# KiCad board UsbSourceMeasure.kicad_pcb
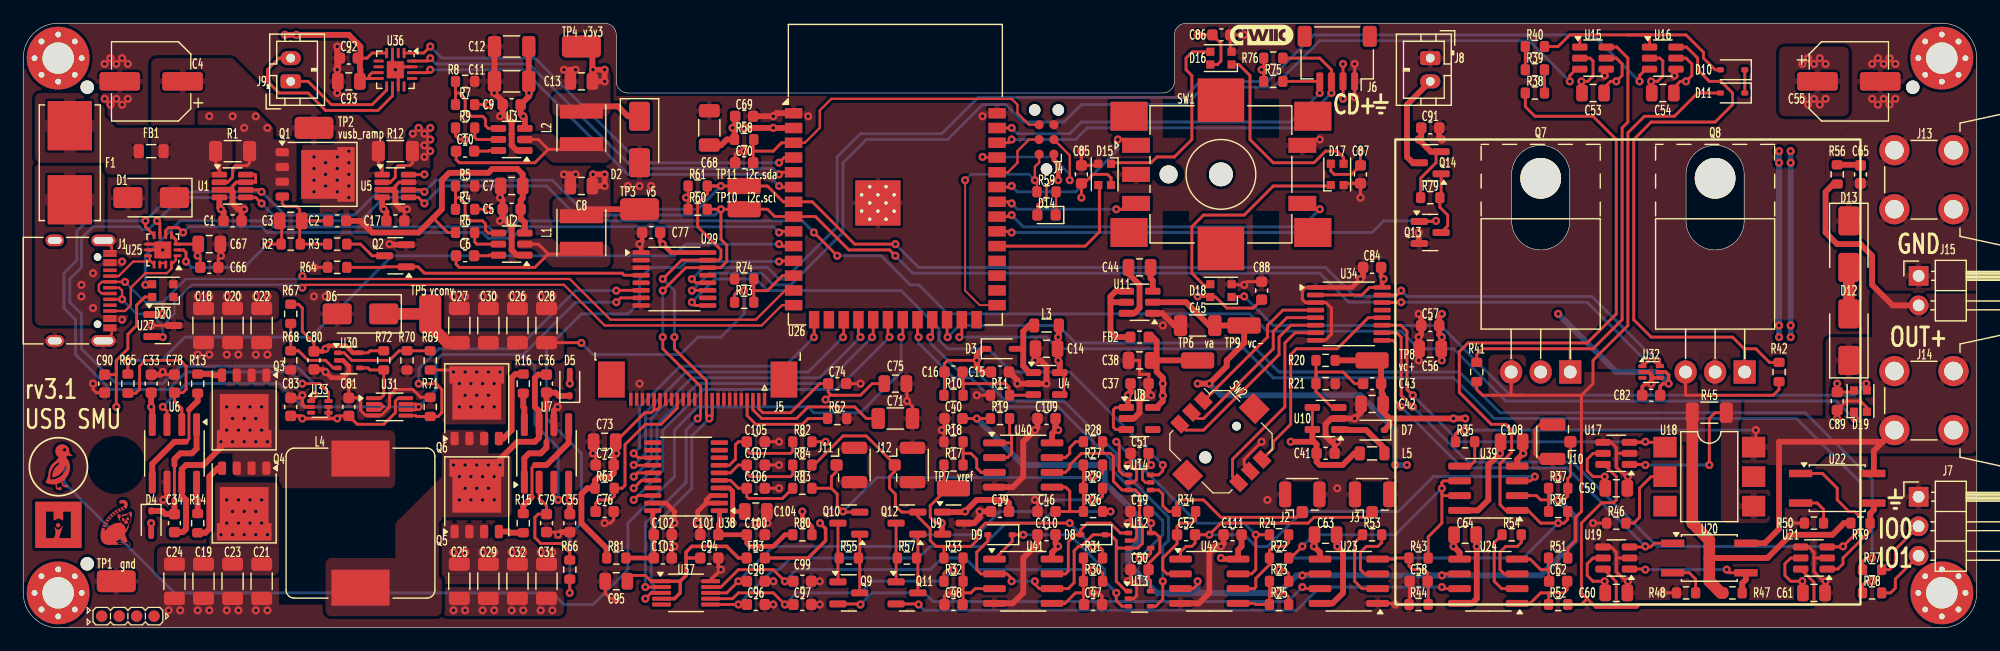
[diagram p0: board, top side]
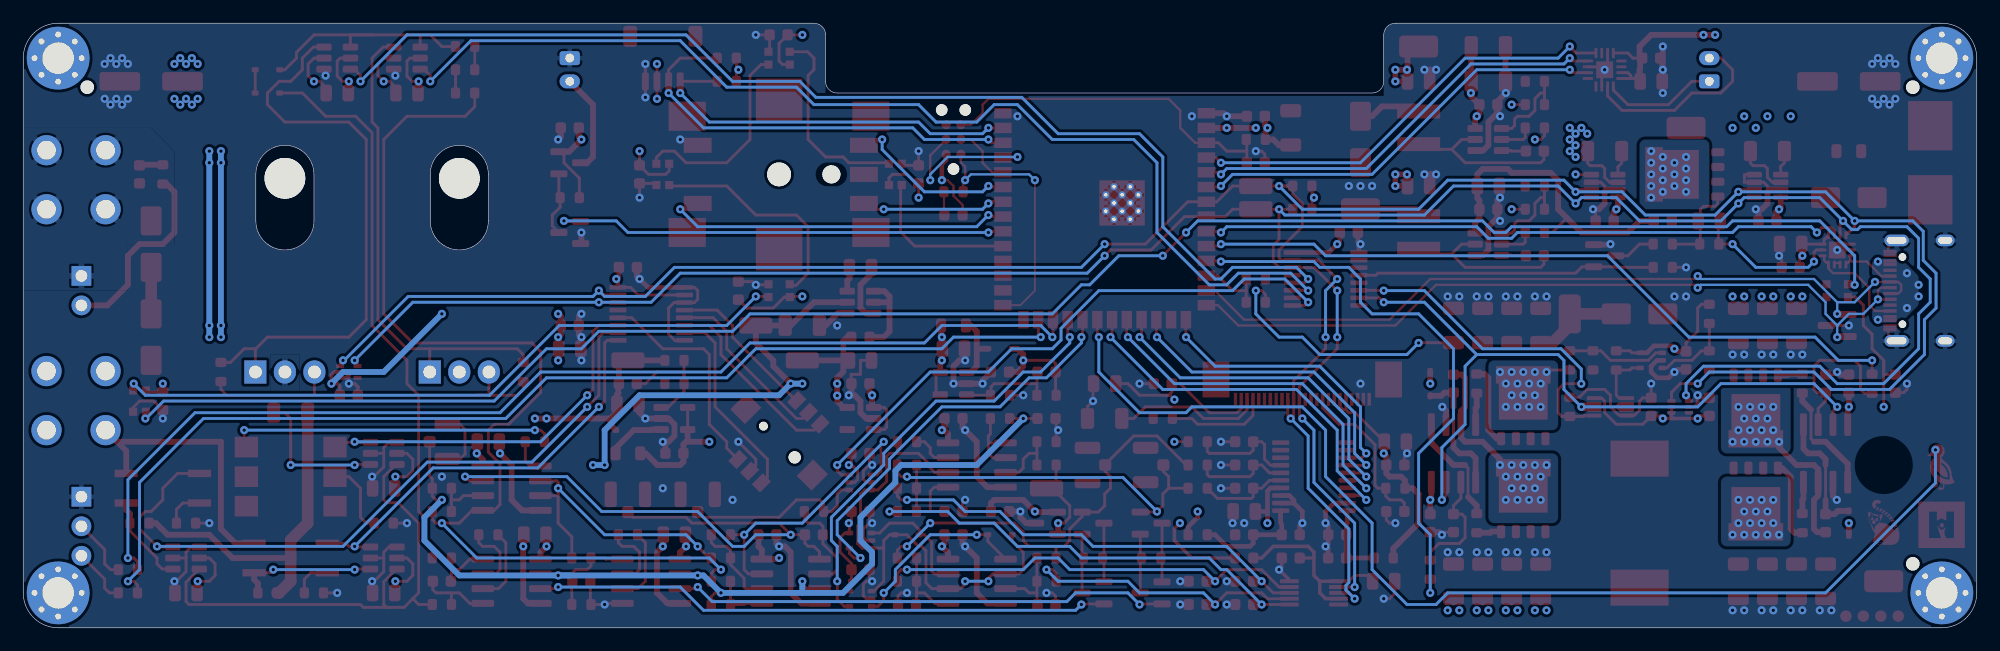
[diagram p1: board, bottom side, seen from below]

Outline 168 x 52 mm; copper layers: Front, In1.Cu, In2.Cu, Bottom. Coordinates in mm from the lower left corner of the outline.
Outline path: 0,49 arc(0.88,51.12) 3,52 50,52 arc(50.71,51.71) 51,51 51,47 arc(51.29,46.29) 52,46 98,46 arc(98.71,46.29) 99,47 99,51 arc(99.29,51.71) 100,52 165,52 arc(167.12,51.12) 168,49 168,3 arc(167.12,0.88) 165,0 3,0 arc(0.88,0.88) 0,3 0,49 ; 128,39 128,35 arc(130.5,32.5) 133,35 133,39 arc(130.5,41.5) 128,39 ; 143,39 143,35 arc(145.5,32.5) 148,35 148,39 arc(145.5,41.5) 143,39
Stack: Front 0.035mm / dielectric 1.51mm FR4 er 4.5 / In1.Cu 0.035mm / dielectric 0.48mm FR4 er 4.5 / In2.Cu 0.035mm / dielectric 0.48mm FR4 er 4.5 / Bottom 0.035mm

## Placement (name value [footprint] x y rotation side)
C1  vusb_sense.vs_cap  [C_0603_1608Metric]  18 35 0 top
C2  ramp.cap_gd  [C_0603_1608Metric]  27 35 180 top
C3  ramp.cap_gs  [C_0805_2012Metric]  23 35 0 top
C4  cap_conv  [CP_Elec_6.3x7.7]  11 47 180 top
C5  reg_v5.hf_in_cap  [C_0603_1608Metric]  42 36 180 top
C6  reg_v5.boot_cap  [C_0603_1608Metric]  38 32 180 top
C7  reg_v5.power_path.in_cap  [C_0805_2012Metric]  42 38 180 top
C8  reg_v5.power_path.out_cap  [C_0805_2012Metric]  48 38 180 top
C9  reg_3v3.hf_in_cap  [C_0603_1608Metric]  42 45 180 top
C10  reg_3v3.boot_cap  [C_0603_1608Metric]  38 41 180 top
C11  reg_3v3.power_path.in_cap.c[0]  [C_1206_3216Metric]  42 47 180 top
C12  reg_3v3.power_path.in_cap.c[1]  [C_1206_3216Metric]  42 50 180 top
C13  reg_3v3.power_path.out_cap  [C_0805_2012Metric]  48 47 180 top
C14  reg_v12.power_path.in_cap  [C_0805_2012Metric]  88 24 180 top
C15  reg_v12.power_path.out_cap  [C_0603_1608Metric]  84 22 0 top
C16  reg_v12.cf  [C_0603_1608Metric]  80 22 0 top
C17  convin_sense.vs_cap  [C_0603_1608Metric]  32 35 0 top
C18  conv.power_path.in_cap.c[0]  [C_1206_3216Metric]  15.5 26 270 top
C19  conv.power_path.in_cap.c[1]  [C_1206_3216Metric]  15.5 4 270 top
C20  conv.power_path.in_cap.c[2]  [C_1206_3216Metric]  18 26 270 top
C21  conv.power_path.in_cap.c[3]  [C_1206_3216Metric]  20.5 4 270 top
C22  conv.power_path.in_cap.c[4]  [C_1206_3216Metric]  20.5 26 270 top
C23  conv.power_path.in_cap.c[5]  [C_1206_3216Metric]  18 4 270 top
C24  conv.power_path.in_cap.c[6]  [C_1206_3216Metric]  13 4 270 top
C25  conv.power_path.out_cap.c[0]  [C_1206_3216Metric]  37.5 4 90 top
C26  conv.power_path.out_cap.c[1]  [C_1206_3216Metric]  42.5 26 90 top
C27  conv.power_path.out_cap.c[2]  [C_1206_3216Metric]  37.5 26 90 top
C28  conv.power_path.out_cap.c[3]  [C_1206_3216Metric]  45 26 90 top
C29  conv.power_path.out_cap.c[4]  [C_1206_3216Metric]  40 4 90 top
C30  conv.power_path.out_cap.c[5]  [C_1206_3216Metric]  40 26 90 top
C31  conv.power_path.out_cap.c[6]  [C_1206_3216Metric]  45 4 90 top
C32  conv.power_path.out_cap.c[7]  [C_1206_3216Metric]  42.5 4 90 top
C33  conv.buck_sw.driver.cap  [C_0603_1608Metric]  11 21 90 top
C34  conv.buck_sw.driver.high_cap  [C_0603_1608Metric]  13 9 270 top
C35  conv.boost_sw.driver.cap  [C_0603_1608Metric]  47 9 270 top
C36  conv.boost_sw.driver.high_cap  [C_0603_1608Metric]  45 21 90 top
C37  reg_analog.in_cap  [C_0603_1608Metric]  96 21 0 top
C38  reg_analog.out_cap  [C_0805_2012Metric]  96 23 180 top
C39  reg_vref.in_cap  [C_0603_1608Metric]  84 10 180 top
C40  ref_rc.c  [C_0603_1608Metric]  80 18 180 top
C41  reg_vcontrol.power_path.in_cap  [C_0603_1608Metric]  112 15 0 top
C42  reg_vcontrol.power_path.out_cap  [C_0805_2012Metric]  116 19.25 180 top
C43  reg_vcontrol.cf  [C_0603_1608Metric]  116 21 180 top
C44  reg_vcontroln.cf  [C_0805_2012Metric]  96 31 0 top
C45  reg_vcontroln.cout  [C_1206_3216Metric]  101 26 180 top
C46  control.err_volt.cin  [C_0603_1608Metric]  88 10 180 top
C47  control.err_source.cin  [C_0603_1608Metric]  92 2 0 top
C48  control.err_sink.cin  [C_0603_1608Metric]  80 2 180 top
C49  control.comp_source.vdd_cap  [C_0603_1608Metric]  96 10 180 top
C50  control.comp_sink.vdd_cap  [C_0603_1608Metric]  96 5 180 top
C51  control.off_sw.vdd_cap  [C_0603_1608Metric]  96 15 180 top
C52  control.int.c  [C_0603_1608Metric]  100 8 180 top
C53  control.driver.high_gate.vdd_cap  [C_0805_2012Metric]  135 46 180 top
C54  control.driver.low_gate.vdd_cap  [C_0805_2012Metric]  141 46 180 top
C55  control.driver.cap_in1  [CP_Elec_6.3x7.7]  157 47 0 top
C56  control.driver.cap_in2  [C_0805_2012Metric]  121 24 180 top
C57  control.driver.cap_in3  [C_0603_1608Metric]  121 26 180 top
C58  control.cdiv  [C_0603_1608Metric]  120 4 180 top
C59  control.isense.ranges[0].sense_sw.vdd_cap  [C_0805_2012Metric]  137 12 0 top
C60  control.isense.ranges[1].sense_sw.vdd_cap  [C_0805_2012Metric]  137 3 0 top
C61  control.isense.ranges[2].sense_sw.vdd_cap  [C_0805_2012Metric]  154 3 0 top
C62  control.ifilt.c  [C_0603_1608Metric]  132 4 0 top
C63  control.vmeas.vdd_cap  [C_0805_2012Metric]  112 8 180 top
C64  control.imeas.vdd_cap  [C_0805_2012Metric]  124 8 180 top
C65  control.snub_c  [C_0603_1608Metric]  158 39 270 top
C66  pd.vdd_cap[0]  [C_0603_1608Metric]  16 31 0 top
C67  pd.vdd_cap[1]  [C_0805_2012Metric]  16 33 0 top
C68  mcu.vcc_cap0  [C_1206_3216Metric]  59 43 90 top
C69  mcu.vcc_cap1  [C_0603_1608Metric]  62 44 0 top
C70  mcu.en_pull.c  [C_0603_1608Metric]  62 40 180 top
C71  oled.vcomh_cap  [C_1206_3216Metric]  75 18 0 top
C72  oled.vdd_cap1  [C_0603_1608Metric]  50 14 180 top
C73  oled.vdd_cap2  [C_0805_2012Metric]  50 16 180 top
C74  oled.vcc_cap1  [C_0603_1608Metric]  70 21 0 top
C75  oled.vcc_cap2  [C_0805_2012Metric]  75 21 0 top
C76  oled_rc.c  [C_0603_1608Metric]  50 10 0 top
C77  ioe_ctl.vdd_cap  [C_0603_1608Metric]  54 34 180 top
C78  buck_rc.c  [C_0603_1608Metric]  13 21 90 top
C79  boost_rc.c  [C_0603_1608Metric]  45 9 270 top
C80  conv_ovp.comp.vdd_cap  [C_0603_1608Metric]  25 23 270 top
C81  conv_latch.vdd_cap  [C_0603_1608Metric]  28 19 90 top
C82  pass_temp.vdd_cap  [C_0603_1608Metric]  140 20 180 top
C83  conv_temp.vdd_cap  [C_0603_1608Metric]  23 19 90 top
C84  ioe_ui.vdd_cap  [C_0603_1608Metric]  116 31 180 top
C85  rgbs.led[0].cap  [C_0603_1608Metric]  91 39 90 top
C86  rgbs.led[1].cap  [C_0603_1608Metric]  103.04 51 0 top
C87  rgbs.led[2].cap  [C_0603_1608Metric]  115 39 270 top
C88  rgbs.led[3].cap  [C_0603_1608Metric]  106.5 29 90 top
C89  rgbs.led[4].cap  [C_0603_1608Metric]  156 19.5 270 top
C90  rgbs.led[5].cap  [C_0603_1608Metric]  7 21 270 top
C91  fan_cap  [C_0603_1608Metric]  121 43 0 top
C92  spk_drv.pwr_cap0  [C_0603_1608Metric]  28 49 180 top
C93  spk_drv.pwr_cap1  [C_0805_2012Metric]  28 47 180 top
C94  dac.vdd_cap[0]  [C_0603_1608Metric]  59 6 0 top
C95  dac.vdd_cap[1]  [C_0805_2012Metric]  51 4 180 top
C96  dac.out_cap[0]  [C_0603_1608Metric]  63 2 0 top
C97  dac.out_cap[1]  [C_0603_1608Metric]  67 2 0 top
C98  dac.out_cap[2]  [C_0603_1608Metric]  63 4 0 top
C99  dac.out_cap[3]  [C_0603_1608Metric]  67 4 0 top
C100  adc.avdd_cap_0  [C_0603_1608Metric]  63 8 0 top
C101  adc.avdd_cap_1  [C_0603_1608Metric]  59 8 180 top
C102  adc.dvdd_cap_0  [C_0603_1608Metric]  55 8 0 top
C103  adc.dvdd_cap_1  [C_0603_1608Metric]  55 6 0 top
C104  adc.vref_cap  [C_0805_2012Metric]  63 10 0 top
C105  vcen_rc.c  [C_0603_1608Metric]  63 16 0 top
C106  mv_rc.c  [C_0603_1608Metric]  63 12 0 top
C107  mi_rc.c  [C_0603_1608Metric]  63 14 0 top
C108  vimeas_amps.vdd_cap  [C_0805_2012Metric]  128 16 0 top
C109  cv_amps.vdd_cap  [C_0603_1608Metric]  88 18 180 top
C110  ci_amps.vdd_cap  [C_0603_1608Metric]  88 8 180 top
C111  cintref_amps.vdd_cap  [C_0603_1608Metric]  104 8 180 top
D1  prot_vusb  [D_SMA]  11 37 180 top
D2  prot_3v3  [D_SMA]  53 42 270 top
D3  reg_v12.rect  [D_SOD-323]  84 24 0 top
D4  conv.buck_sw.driver.boot  [D_SOD-323]  11 9 270 top
D5  conv.boost_sw.driver.boot  [D_SOD-323]  47 21 90 top
D6  prot_conv  [D_SMA]  29 27 180 top
D7  reg_vcontrol.rect  [D_SOD-323]  116 17 180 top
D8  control.err_source.diode  [D_SOD-323]  92 8 180 top
D9  control.err_sink.diode  [D_SOD-323]  84 8 180 top
D10  control.driver.clamp1  [D_SOD-323]  147 48 180 top
D11  control.driver.clamp2  [D_SOD-323]  147 46 180 top
D12  control.tvs_p  [D_SMA]  157 25 90 top
D13  control.tvs_n  [D_SMA]  157 33 270 top
D14  led.package  [LED_0603_1608Metric]  88 35.5 180 top
D15  rgbs.led[0].device  [LED_WS2812B-2020_PLCC4_2.0x2.0mm]  93 39 270 top
D16  rgbs.led[1].device  [LED_WS2812B-2020_PLCC4_2.0x2.0mm]  103 49 180 top
D17  rgbs.led[2].device  [LED_WS2812B-2020_PLCC4_2.0x2.0mm]  113 39 90 top
D18  rgbs.led[3].device  [LED_WS2812B-2020_PLCC4_2.0x2.0mm]  103 29 180 top
D19  rgbs.led[4].device  [LED_WS2812B-2020_PLCC4_2.0x2.0mm]  158 19.5 90 top
D20  rgbs.led[5].device  [LED_WS2812B-2020_PLCC4_2.0x2.0mm]  12 29 180 top
F1  fuse_vusb  [Fuseholder_Littelfuse_Nano2_154x]  4 40 90 top
FB1  filt_vusb  [L_0805_2012Metric]  11 41 0 top
FB2  filt_vcontroln  [L_0603_1608Metric]  96 25 180 top
FB3  dac_ferrite  [L_0603_1608Metric]  63 6 180 top
G***  LOGO  [qwiic_5.5mm]  106.5 51 0 top
H1  jlc_th.th1  [JlcToolingHole_1.152mm]  5.5 46.5 0 top
H2  jlc_th.th2  [JlcToolingHole_1.152mm]  5.5 5.5 0 top
H3  jlc_th.th3  [JlcToolingHole_1.152mm]  162.5 46.5 0 top
J1  usb  [USB_C_Receptacle_XKB_U262-16XN-4BVC11]  3.78 29 270 top
J2  tp_err  [U.FL_Hirose_U.FL-R-SMT-1_Vertical]  110 11 90 top
J3  tp_int  [U.FL_Hirose_U.FL-R-SMT-1_Vertical]  116 11 90 top
J4  mcu.prog  [Tag-Connect_TC2030-IDC-NL_2x03_P1.27mm_Vertical]  88 42 90 top
J5  oled.device  [TE_2-1734839-4_1x24-1MP_P0.5mm_Horizontal]  58 21 180 top
J6  qwiic  [JST_SH_SM04B-SRSS-TB_1x04-1MP_P1.00mm_Horizontal]  113 49 180 top
J7  dutio  [PinHeader_1x03_P2.54mm_Horizontal]  163 11.27 0 top
J8  fan  [JST_PH_B2B-PH-K_1x02_P2.00mm_Vertical]  121 49 270 top
J9  spk  [JST_PH_B2B-PH-K_1x02_P2.00mm_Vertical]  23 47 90 top
J10  tp_vcen  [U.FL_Hirose_U.FL-R-SMT-1_Vertical]  132 16 180 top
J11  tp_mv  [U.FL_Hirose_U.FL-R-SMT-1_Vertical]  71 14 0 top
J12  tp_mi  [U.FL_Hirose_U.FL-R-SMT-1_Vertical]  76 14 0 top
J13  outn  [CalTest_CT3151]  166 36 180 top
J14  outp  [CalTest_CT3151]  166 17 180 top
J15  outd  [PinHeader_1x02_P2.54mm_Horizontal]  163 30.27 0 top
L1  reg_v5.power_path.inductor  [L_Taiyo-Yuden_NR-40xx]  48 34 90 top
L2  reg_3v3.power_path.inductor  [L_Taiyo-Yuden_NR-40xx]  48 43 90 top
L3  reg_v12.power_path.inductor  [L_0805_2012Metric]  88 26 180 top
L4  conv.power_path.inductor  [L_Bourns_SRP1245A]  29 9 270 top
L5  reg_vcontrol.power_path.inductor  [L_0805_2012Metric]  116 15 0 top
MH1  -  [MountingHole_2.7mm_M2.5_Pad_Via]  3 49 0 top
MH2  -  [MountingHole_2.7mm_M2.5_Pad_Via]  165 49 0 top
MH3  -  [MountingHole_2.7mm_M2.5_Pad_Via]  3 3 0 top
MH4  -  [MountingHole_2.7mm_M2.5_Pad_Via]  165 3 0 top
NOREF  -  [Indicator_IdDots_4]  9 1 0 top
Q1  ramp.drv  [PQFN-8-EP_6x5mm_P1.27mm_Generic]  25 39 0 top
Q2  ramp.ctl_fet  [SOT-23]  32 32 180 top
Q3  conv.buck_sw.low_fet  [PQFN-8-EP_6x5mm_P1.27mm_Generic]  19 19 270 top
Q4  conv.buck_sw.high_fet  [PQFN-8-EP_6x5mm_P1.27mm_Generic]  19 11 270 top
Q5  conv.boost_sw.low_fet  [PQFN-8-EP_6x5mm_P1.27mm_Generic]  39 11 90 top
Q6  conv.boost_sw.high_fet  [PQFN-8-EP_6x5mm_P1.27mm_Generic]  39 19 90 top
Q7  control.driver.high_fet  [TO-220-3_Horizontal_TabUp]  133.04 22 180 top
Q8  control.driver.low_fet  [TO-220-3_Horizontal_TabUp]  148.04 22 180 top
Q9  control.vclamp.Q1  [SOT-23]  71 3 0 top
Q10  control.vclamp.Q2  [SOT-23]  71 9 180 top
Q11  control.iclamp.Q1  [SOT-23]  76 3 0 top
Q12  control.iclamp.Q2  [SOT-23]  76 9 180 top
Q13  fan_drv.pre  [SOT-23]  121 34 0 top
Q14  fan_drv.drv  [SOT-23]  121 40 180 top
R1  vusb_sense.Rs  [R_1206_3216Metric]  18 41 0 top
R2  ramp.div.top_res  [R_0603_1608Metric]  23 33 0 top
R3  ramp.div.bottom_res  [R_0603_1608Metric]  27 33 0 top
R4  reg_v5.fb.top_res  [R_0603_1608Metric]  38 36 180 top
R5  reg_v5.fb.bottom_res  [R_0603_1608Metric]  38 38 0 top
R6  reg_v5.en_res  [R_0603_1608Metric]  38 34 0 top
R7  reg_3v3.fb.top_res  [R_0603_1608Metric]  38 45 180 top
R8  reg_3v3.fb.bottom_res  [R_0603_1608Metric]  38 47 0 top
R9  reg_3v3.en_res  [R_0603_1608Metric]  38 43 0 top
R10  reg_v12.fb.top_res  [R_0603_1608Metric]  80 20 0 top
R11  reg_v12.fb.bottom_res  [R_0603_1608Metric]  84 20 180 top
R12  convin_sense.Rs  [R_1206_3216Metric]  32 41 0 top
R13  conv.buck_sw.low_gate_res  [R_0603_1608Metric]  15 21 90 top
R14  conv.buck_sw.high_gate_res  [R_0603_1608Metric]  15 9 270 top
R15  conv.boost_sw.low_gate_res  [R_0603_1608Metric]  43 9 270 top
R16  conv.boost_sw.high_gate_res  [R_0603_1608Metric]  43 21 90 top
R17  ref_div.top_res  [R_0603_1608Metric]  80 14 0 top
R18  ref_div.bottom_res  [R_0603_1608Metric]  80 16 180 top
R19  ref_rc.r  [R_0603_1608Metric]  84 18 180 top
R20  reg_vcontrol.fb.top_res  [R_0603_1608Metric]  112 23 180 top
R21  reg_vcontrol.fb.bottom_res  [R_0603_1608Metric]  112 21 0 top
R22  control.dmeas.r1  [R_0603_1608Metric]  108 6 180 top
R23  control.dmeas.r2  [R_0603_1608Metric]  108 4 180 top
R24  control.dmeas.rf  [R_0603_1608Metric]  108 8 0 top
R25  control.dmeas.rg  [R_0603_1608Metric]  108 2 180 top
R26  control.err_volt.rtop  [R_0603_1608Metric]  92 10 180 top
R27  control.err_volt.rbot  [R_0603_1608Metric]  92 14 180 top
R28  control.err_volt.rout  [R_0603_1608Metric]  92 16 0 top
R29  control.err_volt.rfine  [R_0603_1608Metric]  92 12 180 top
R30  control.err_source.rtop  [R_0603_1608Metric]  92 4 180 top
R31  control.err_source.rbot  [R_0603_1608Metric]  92 6 180 top
R32  control.err_sink.rtop  [R_0603_1608Metric]  80 4 0 top
R33  control.err_sink.rbot  [R_0603_1608Metric]  80 6 0 top
R34  control.int.r  [R_0603_1608Metric]  100 10 0 top
R35  control.hvclamp  [R_0603_1608Metric]  124 16 0 top
R36  control.amp.r1  [R_0603_1608Metric]  132 10 180 top
R37  control.amp.r2  [R_0603_1608Metric]  132 12 0 top
R38  control.driver.res.res[0]  [R_0603_1608Metric]  130 46 0 top
R39  control.driver.res.res[1]  [R_0603_1608Metric]  130 48 180 top
R40  control.driver.res.res[2]  [R_0603_1608Metric]  130 50 0 top
R41  control.driver.high_res  [R_0603_1608Metric]  125 22 270 top
R42  control.driver.low_res  [R_0603_1608Metric]  151 22 270 top
R43  control.vdiv.top_res  [R_0603_1608Metric]  120 6 180 top
R44  control.vdiv.bottom_res  [R_0603_1608Metric]  120 2 180 top
R45  control.isense.ranges[0].isense  [R_1206_3216Metric]  145 18.5 0 top
R46  control.isense.ranges[0].pwr_sw.res  [R_0603_1608Metric]  137 9 180 top
R47  control.isense.ranges[1].isense  [R_0603_1608Metric]  147 3 0 top
R48  control.isense.ranges[1].pwr_sw.res  [R_0603_1608Metric]  143 3 180 top
R49  control.isense.ranges[2].isense  [R_0603_1608Metric]  158 9 0 top
R50  control.isense.ranges[2].pwr_sw.res  [R_0603_1608Metric]  154 9 180 top
R51  control.ifilt.rp  [R_0603_1608Metric]  132 6 180 top
R52  control.ifilt.rn  [R_0603_1608Metric]  132 2 180 top
R53  control.vmeas.rg  [R_0603_1608Metric]  116 8 0 top
R54  control.imeas.rg  [R_0603_1608Metric]  128 8 0 top
R55  control.vclamp.r  [R_0603_1608Metric]  71 6 0 top
R56  control.snub_r  [R_0603_1608Metric]  156 39 90 top
R57  control.iclamp.r  [R_0603_1608Metric]  76 6 0 top
R58  mcu.en_pull.r  [R_0603_1608Metric]  62 42 0 top
R59  led.res  [R_0603_1608Metric]  88 37.5 180 top
R60  i2c_pull.scl_res  [R_0603_1608Metric]  58 36 0 top
R61  i2c_pull.sda_res  [R_0603_1608Metric]  58 38 0 top
R62  oled.iref_res  [R_0603_1608Metric]  70 18 0 top
R63  oled_rc.r  [R_0603_1608Metric]  50 12 0 top
R64  ramp_pull  [R_0603_1608Metric]  27 31 0 top
R65  buck_rc.r  [R_0603_1608Metric]  9 21 270 top
R66  boost_rc.r  [R_0603_1608Metric]  47 5 90 top
R67  conv_ovp.ref_div.top_res  [R_0603_1608Metric]  23 27 270 top
R68  conv_ovp.ref_div.bottom_res  [R_0603_1608Metric]  23 23 270 top
R69  conv_ovp.comp_div.top_res  [R_0603_1608Metric]  35 23 90 top
R70  conv_ovp.comp_div.bottom_res  [R_0603_1608Metric]  33 23 270 top
R71  conv_en_pull  [R_0603_1608Metric]  35 19 270 top
R72  comp_pull  [R_0603_1608Metric]  31 23 270 top
R73  conv_sense.top_res  [R_0603_1608Metric]  62 28 0 top
R74  conv_sense.bottom_res  [R_0603_1608Metric]  62 30 180 top
R75  qwiic_pull.scl_res  [R_0603_1608Metric]  107.5 47 0 top
R76  qwiic_pull.sda_res  [R_0603_1608Metric]  107.5 49 0 top
R77  dut0_clamp  [R_0603_1608Metric]  159 5 180 top
R78  dut1_clamp  [R_0603_1608Metric]  159 3 180 top
R79  fan_drv.pull  [R_0603_1608Metric]  121 37 0 top
R80  adc.avdd_res  [R_0603_1608Metric]  67 8 180 top
R81  adc.dvdd_res  [R_0603_1608Metric]  51 6 0 top
R82  vcen_rc.r  [R_0603_1608Metric]  67 16 180 top
R83  mv_rc.r  [R_0603_1608Metric]  67 12 180 top
R84  mi_rc.r  [R_0603_1608Metric]  67 14 180 top
SW1  enc  [RotaryEncoder_Bourns_PEC11S]  103 39 0 top
SW2  dir  [DirectionSwitch_Alps_SKRH]  103 16 315 top
SYM1  G***  [Symbol_LemurSolid]  8 9 0 top
SYM2  G***  [Symbol_HiLabSolid]  3.02 8.85 0 top
TP1  gnd  [TestPoint_TE_RCT_0805]  8 4 180 top
TP2  vusb_ramp  [TestPoint_TE_RCT_0805]  25 43 180 top
TP3  v5  [TestPoint_TE_RCT_0805]  53 36 180 top
TP4  v3v3  [TestPoint_TE_RCT_0805]  48 50 0 top
TP5  vconv  [TestPoint_TE_RCT_0805]  35 27 270 top
TP6  va  [TestPoint_TE_RCT_0805#2]  101 23 0 top
TP7  vref  [TestPoint_TE_RCT_0805#2]  80 12 0 top
TP8  vc+  [TestPoint_TE_RCT_0805#2]  116 23 0 top
TP9  vc-  [TestPoint_TE_RCT_0805#2]  105 26 0 top
TP10  i2c.scl  [TestPoint_TE_RCT_0805#2]  62 36 0 top
TP11  i2c.sda  [TestPoint_TE_RCT_0805#2]  62 38 0 top
U1  vusb_sense.ic  [SOT-23-8]  18 38 0 top
U2  reg_v5.ic  [SOT-23-6]  42 33 180 top
U3  reg_3v3.ic  [SOT-23-6]  42 42 180 top
U4  reg_v12.ic  [SOT-23-5]  88 21 0 top
U5  convin_sense.ic  [SOT-23-8]  32 38 0 top
U6  conv.buck_sw.driver.ic  [SOIC-8_3.9x4.9mm_P1.27mm]  13 15 270 top
U7  conv.boost_sw.driver.ic  [SOIC-8_3.9x4.9mm_P1.27mm]  45 15 90 top
U8  reg_analog.ic  [SOT-23-5]  96 18 0 top
U9  reg_vref.ic  [SOT-23]  80 9 0 top
U10  reg_vcontrol.ic  [SOT-23-5]  112 18 180 top
U11  reg_vcontroln.ic  [SOT-23-6]  96 28 180 top
U12  control.comp_source.ic  [SOT-353_SC-70-5]  96 7.5 0 top
U13  control.comp_sink.ic  [SOT-353_SC-70-5]  96 2.5 0 top
U14  control.off_sw.ic  [SOT-363_SC-70-6]  96 12.5 0 top
U15  control.driver.high_gate.ic  [SOT-23-6]  135 49 0 top
U16  control.driver.low_gate.ic  [SOT-23-6]  141 49 0 top
U17  control.isense.ranges[0].sense_sw.ic  [SOT-23-6]  137 15 180 top
U18  control.isense.ranges[0].pwr_sw.ic  [SMDIP-6_W7.62mm]  145 13 0 top
U19  control.isense.ranges[1].sense_sw.ic  [SOT-23-6]  137 6 180 top
U20  control.isense.ranges[1].pwr_sw.ic  [SO-4_4.4x3.6mm_P2.54mm]  145 6 0 top
U21  control.isense.ranges[2].sense_sw.ic  [SOT-23-6]  154 6 180 top
U22  control.isense.ranges[2].pwr_sw.ic  [SO-4_4.4x3.6mm_P2.54mm]  156 12 0 top
U23  control.vmeas.ic  [SOIC-8_3.9x4.9mm_P1.27mm]  114 4 180 top
U24  control.imeas.ic  [SOIC-8_3.9x4.9mm_P1.27mm]  126 4 180 top
U25  pd.ic  [WQFN-14-1EP_2.5x2.5mm_P0.5mm_EP1.45x1.45mm]  12 32.5 180 top
U26  mcu.ic  [ESP32-S3-WROOM-1]  75 39 0 top
U27  usb_esd  [SOT-23]  12 26 0 top
U28  oled.lcd  [Lcd_Er_Oled022_1_Outline]  58 70.95 0 top
U29  ioe_ctl.ic  [TSSOP-16_4.4x5mm_P0.65mm]  56 30 0 top
U30  conv_ovp.comp.ic  [SOT-353_SC-70-5]  28 23 0 top
U31  conv_latch.ic  [VSSOP-8_2.3x2mm_P0.5mm]  31.5 19 0 top
U32  pass_temp.ic  [SOT-563]  140 22 0 top
U33  conv_temp.ic  [SOT-563]  25.5 19 0 top
U34  ioe_ui.ic  [TSSOP-16_4.4x5mm_P0.65mm]  114 27 0 top
U35  touch_duck  [Symbol_DucklingSolid]  3.02 13.85 0 top
U36  spk_drv.ic  [QFN-16-1EP_3x3mm_P0.5mm_EP1.45x1.45mm]  32 48 270 top
U37  dac.ic  [MSOP-10_3x3mm_P0.5mm]  57 3 0 top
U38  adc.ic  [TSSOP-20_4.4x6.5mm_P0.65mm]  57 13 180 top
U39  vimeas_amps.ic  [SOIC-8_3.9x4.9mm_P1.27mm]  126 12 180 top
U40  cv_amps.ic  [SOIC-8_3.9x4.9mm_P1.27mm]  86 14 0 top
U41  ci_amps.ic  [SOIC-8_3.9x4.9mm_P1.27mm]  86 4 0 top
U42  cintref_amps.ic  [SOIC-8_3.9x4.9mm_P1.27mm]  102 4 0 top

## Library data of the parts
C5 = -: edg_part: CC0603KRX7R9BB104 (YAGEO); edg_path: reg_v5.hf_in_cap.cap; edg_refdes: C2
C6 = -: edg_part: CC0603KRX7R9BB104 (YAGEO); edg_refdes: C3
C14 = -: edg_part: CL21A475KAQNNNE (Samsung Electro-Mechanics); edg_path: reg_v12.power_path.in_cap.cap; edg_refdes: C24
C15 = -: edg_part: CL10A105KB8NNNC (Samsung Electro-Mechanics); edg_path: reg_v12.power_path.out_cap.cap; edg_refdes: C25
C16 = -: edg_part: TCC0603X7R181K500CT (CCTC); edg_refdes: C26
C18 = -: edg_part: CL31A226KAHNNNE (Samsung Electro-Mechanics); edg_path: conv.power_path.in_cap.cap.c[0]; edg_refdes: C8
C19 = -: edg_part: CL31A226KAHNNNE (Samsung Electro-Mechanics); edg_path: conv.power_path.in_cap.cap.c[1]; edg_refdes: C9
C20 = -: edg_part: CL31A226KAHNNNE (Samsung Electro-Mechanics); edg_path: conv.power_path.in_cap.cap.c[2]; edg_refdes: C10
C25 = -: edg_part: C3216X5R1V226MTJ00E (TDK); edg_path: conv.power_path.out_cap.cap.c[0]; edg_refdes: C11
C26 = -: edg_part: C3216X5R1V226MTJ00E (TDK); edg_path: conv.power_path.out_cap.cap.c[1]; edg_refdes: C12
C27 = -: edg_part: C3216X5R1V226MTJ00E (TDK); edg_path: conv.power_path.out_cap.cap.c[2]; edg_refdes: C13
C28 = -: edg_part: C3216X5R1V226MTJ00E (TDK); edg_path: conv.power_path.out_cap.cap.c[3]; edg_refdes: C14
C29 = -: edg_part: C3216X5R1V226MTJ00E (TDK); edg_path: conv.power_path.out_cap.cap.c[4]; edg_refdes: C15
C30 = -: edg_part: C3216X5R1V226MTJ00E (TDK); edg_path: conv.power_path.out_cap.cap.c[5]; edg_refdes: C16
C31 = -: edg_part: C3216X5R1V226MTJ00E (TDK); edg_path: conv.power_path.out_cap.cap.c[6]; edg_refdes: C17
C33 = -: edg_part: CC0603KRX7R9BB104 (YAGEO); edg_path: conv.buck_sw.driver.cap.cap; edg_refdes: C20
C34 = -: edg_part: CC0603KRX7R9BB104 (YAGEO); edg_path: conv.buck_sw.driver.high_cap.cap; edg_refdes: C21
C35 = -: edg_part: CC0603KRX7R9BB104 (YAGEO); edg_path: conv.boost_sw.driver.cap.cap; edg_refdes: C22
C36 = -: edg_part: CC0603KRX7R9BB104 (YAGEO); edg_path: conv.boost_sw.driver.high_cap.cap; edg_refdes: C23
C37 = -: edg_part: CL10A105KB8NNNC (Samsung Electro-Mechanics); edg_path: reg_analog.in_cap.cap; edg_refdes: C27
C39 = -: edg_part: CL10B474KA8NNNC (Samsung Electro-Mechanics); edg_path: reg_vref.in_cap.cap; edg_refdes: C29
C41 = -: edg_part: CL10A105KB8NNNC (Samsung Electro-Mechanics); edg_path: reg_vcontrol.power_path.in_cap.cap; edg_refdes: C31
C42 = -: edg_part: GRM21BR61H106KE43L (Murata Electronics); edg_path: reg_vcontrol.power_path.out_cap.cap; edg_refdes: C32
C43 = -: edg_part: 0603CG750J500NT (FH(Guangdong Fenghua Advanced Tech)); edg_refdes: C33
C44 = -: edg_part: CL21A106KAYNNNE (Samsung Electro-Mechanics); edg_refdes: C34
C51 = -: edg_part: CC0603KRX7R9BB104 (YAGEO); edg_path: control.off_sw.device.vdd_cap.cap; edg_refdes: C37
C52 = -: edg_part: CL10B102KB8NNNC (Samsung Electro-Mechanics); edg_refdes: C38